# Altium PCB DAC_Sources.PcbDoc (part 5 of 8) (continued)
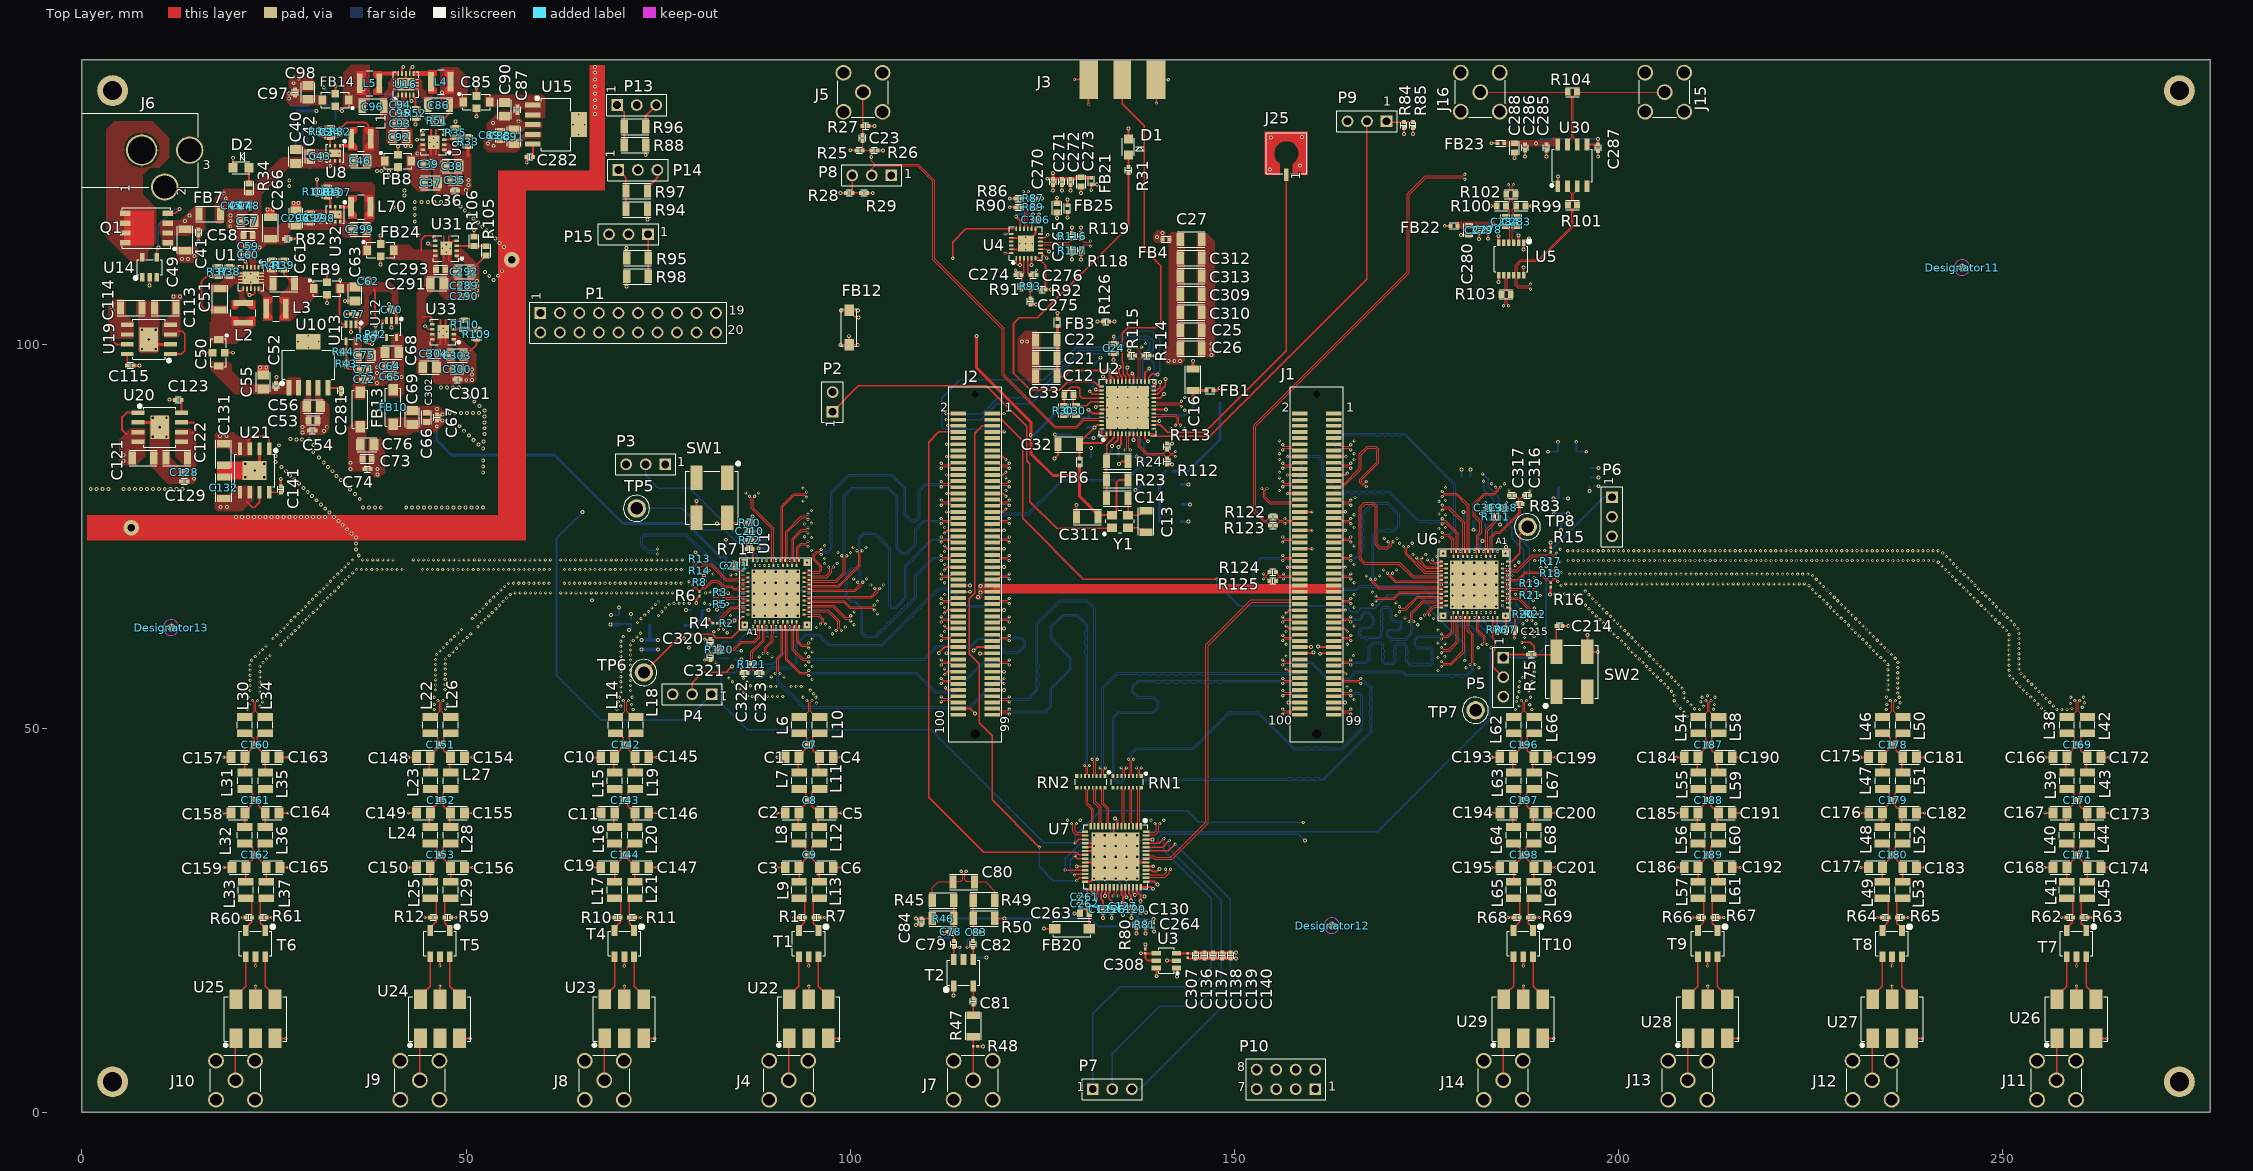
[diagram p0: Top Layer view]
## Nets (pads, with @x,y where several pads share a name; then routed paths per layer and width w, separated by ;. In a path a pad name is that pad's centre, name@x,y a point inside that pad or via, vN(x,y) a via of type N, cw(c..) or ccw(c..) an arc to the next point about the centre after c; other vN are vias at no path point) (continued)
  Bottom Layer w0.127: v1(90.89,57.14) 90.674,56.924 90.674,56.189 93.993,52.87 115.547,52.87 118.958,56.281 119.824,56.281 v1(120.04,56.497)
JX1_D15_DAC1_P: J2.89 U1.A7 | length 42.1
  Top Layer w0.127: v1(90.23,57.14) 90.446,57.356 90.446,59.136 91.001,59.691 91.001,63.007 90.991,63.017 90.991,63.157 U1.A7@90.93,63.218 ; J2.89@118.475,55.767 118.662,55.953 119.443,55.953 119.505,56.015 119.862,56.015 v1(120.04,55.837)
  Bottom Layer w0.127: v1(90.23,57.14) 90.446,56.924 90.446,56.095 90.66,55.88 90.66,55.72 90.85,55.53 91.01,55.53 91.105,55.435 91.105,55.275 91.295,55.085 91.455,55.085 91.55,54.99 91.55,54.83 91.74,54.64 91.9,54.64 93.899,52.641 115.641,52.641 119.052,56.053 119.824,56.053 v1(120.04,55.837)
JX1_DACCLK_DAC1_IN_N: C323.1 R121.1 U1.B3 | length 7.7
  Top Layer w0.127: C323.1@87.765,57.17 87.314,57.621 87.314,58.034 R121.1@87.6,58.32 87.314,58.606 87.314,59.874 88.83,61.39 U1.B3@88.83,63.868
JX1_DACCLK_DAC1_IN_P: C322.1 R121.2 U1.A3 | length 7.1
  Top Layer w0.127: C322.1@86.635,57.17 87.086,57.621 87.086,58.034 R121.2@86.8,58.32 87.086,58.606 87.086,59.969 88.601,61.485 88.601,63.007 88.591,63.017 88.591,63.157 U1.A3@88.53,63.218
JX1_DACCLK_DAC1_N: C323.2 R115.2 U2.28 | length 96.1
  Top Layer w0.127: C323.2@88.565,57.17 v1(88.565,57.88) ; v1(137.29,99.63) 137.506,99.414 137.506,98.89 137.189,98.574 137.118,98.574 R115.2@137.055,98.51 137.506,98.059 137.506,95.441 137.431,95.366 137.426,95.366 137.37,95.31 U2.28@137.37,95.13
  Bottom Layer w0.127: v1(88.565,57.88) 87.584,57.88 87.314,57.61 87.314,57.256 87.78,56.79 88.49,56.79 89.679,57.979 92.159,57.979 92.9,58.72 92.9,61.01 94.137,62.247 95.946,62.247 97.248,60.945 104.135,60.945 111.469,68.279 112.965,68.279 115.203,66.04 117.64,66.04 118.37,66.77 118.37,76.483 119.925,78.039 123.199,78.039 127.579,82.419 135.899,82.419 138.19,84.71 138.19,86.94 136.641,88.489 136.641,94.951 137.506,95.816 137.506,99.414 v1(137.29,99.63)
JX1_DACCLK_DAC1_P: C322.2 R114.2 U2.27 | length 96.9
  Top Layer w0.127: C322.2@85.835,57.17 v1(85.835,57.88) ; U2.27@137.87,95.13 137.87,95.31 137.813,95.366 137.809,95.366 137.734,95.441 137.734,98.059 R114.2@138.185,98.51 138.121,98.574 138.051,98.574 137.734,98.89 137.734,99.414 v1(137.95,99.63)
  Bottom Layer w0.127: v1(85.835,57.88) 86.816,57.88 87.086,57.61 87.086,57.161 87.685,56.561 88.585,56.561 89.773,57.75 92.253,57.75 93.129,58.625 93.129,60.915 94.232,62.018 95.852,62.018 97.154,60.716 104.23,60.716 111.563,68.05 112.87,68.05 115.109,65.811 117.735,65.811 118.599,66.675 118.599,76.389 120.02,77.81 123.293,77.81 127.673,82.19 135.993,82.19 138.419,84.615 138.419,87.035 136.87,88.583 136.87,94.857 137.734,95.721 137.734,99.414 v1(137.95,99.63)
JX1_DATACLK_DAC1_N: J2.54 U1.B15 | length 44
  Top Layer w0.127: U1.B15@93.98,67.218 102.744,67.218 103.406,67.88 103.406,67.994 v1(103.19,68.21) ; v1(111.853,70.097) 112.069,69.881 113.061,69.881 113.139,69.958 113.139,69.98 113.325,70.167 J2.54@114.075,70.167
  SIG_03 w0.102: v1(103.19,68.21) 103.406,68.426 103.406,70.001 102.975,70.431 100.645,70.431 100.091,70.985 100.091,71.805 100.518,72.232 100.585,72.299 104.629,72.299 107.335,75.005 107.469,75.139 109.809,75.139 110.42,74.528 110.969,73.979 110.969,73.205 110.083,72.319 107.179,72.319 106.69,71.83 106.69,70.74 107.549,69.881 111.637,69.881 v1(111.853,70.097)
JX1_DATACLK_DAC1_P: J2.56 U1.A16 | length 43.9
  Top Layer w0.127: U1.A16@94.63,66.918 94.691,66.98 94.831,66.98 94.841,66.989 102.839,66.989 103.634,67.785 103.634,67.994 v1(103.85,68.21) ; v1(111.853,69.437) 112.069,69.653 113.057,69.653 113.139,69.572 113.139,69.553 113.325,69.367 J2.56@114.075,69.367
  SIG_03 w0.102: v1(103.85,68.21) 103.634,68.426 103.634,70.096 103.07,70.66 100.74,70.66 100.32,71.08 100.32,71.71 100.68,72.07 104.723,72.07 105.335,72.682 105.555,72.682 105.735,72.862 105.735,73.082 105.85,73.197 106.07,73.197 106.25,73.377 106.25,73.597 106.365,73.712 106.585,73.712 106.765,73.892 106.765,74.112 106.88,74.227 107.1,74.227 107.28,74.407 107.28,74.627 107.563,74.91 109.715,74.91 110.74,73.885 110.74,73.3 109.988,72.548 107.085,72.548 106.461,71.925 106.461,70.645 107.454,69.653 111.637,69.653 v1(111.853,69.437)
JX1_FRAME_DAC1_N: J2.50 U1.B16 | length 40.4
  Top Layer w0.127: U1.B16@93.98,67.818 95.637,67.818 100.657,67.818 101.415,68.575 101.415,68.784 v1(101.63,69) ; v1(111.853,71.837) 112.069,72.053 113.057,72.053 113.139,71.972 113.139,71.953 113.325,71.767 J2.50@114.075,71.767
  Bottom Layer w0.127: v1(101.63,69) 101.415,69.216 101.415,70.392 100.918,70.889 100.045,70.889 99.331,70.175 99.331,67.075 100.007,66.4 100.576,66.4 101.421,65.554 101.421,62.315 101.915,61.821 103.455,61.821 108.582,66.948 108.649,67.015 108.649,69.841 110.86,72.053 111.637,72.053 v1(111.853,71.837)
JX1_FRAME_DAC1_P: J2.48 U1.A18 | length 39.6
  Top Layer w0.127: U1.A18@94.63,68.118 94.691,68.057 94.831,68.057 94.841,68.047 100.563,68.047 101.186,68.67 101.186,68.784 v1(100.97,69) ; v1(111.853,72.497) 112.069,72.281 113.061,72.281 113.139,72.358 113.139,72.38 113.325,72.567 J2.48@114.075,72.567
  Bottom Layer w0.127: v1(100.97,69) 101.186,69.216 101.186,70.297 100.823,70.66 100.14,70.66 99.56,70.08 99.56,69.69 99.67,69.58 99.67,69.26 99.56,69.15 99.56,68.85 99.67,68.74 99.67,68.42 99.56,68.31 99.56,68.01 99.67,67.9 99.67,67.58 99.56,67.47 99.56,67.17 100.101,66.629 100.671,66.629 101.65,65.649 101.65,62.41 102.01,62.05 103.36,62.05 103.55,62.24 103.55,62.42 103.687,62.557 103.867,62.557 103.985,62.675 103.985,62.855 104.123,62.993 104.303,62.993 104.421,63.111 104.421,63.291 104.558,63.428 104.738,63.428 104.856,63.546 104.856,63.726 104.994,63.864 105.174,63.864 105.292,63.982 105.292,64.162 105.429,64.299 105.609,64.299 105.727,64.417 105.727,64.597 105.865,64.735 106.045,64.735 106.163,64.853 106.163,65.033 106.3,65.17 106.48,65.17 106.598,65.288 106.598,65.468 106.735,65.605 106.915,65.605 107.034,65.723 107.034,65.903 107.171,66.041 107.351,66.041 107.469,66.159 107.469,66.339 107.606,66.476 107.786,66.476 107.904,66.594 108.42,67.11 108.42,69.936 110.765,72.281 111.637,72.281 v1(111.853,72.497)
JX1_LVDS9_N: J1.36 P1.16 R122.1 | length 107.8
  Top Layer w0.127: R122.1@155.438,77.537 155.501,77.474 155.501,77.4 155.82,77.081 156.354,77.081 v1(156.57,77.297) 156.786,77.081 157.514,77.081 157.589,77.156 157.589,77.181 157.775,77.367 J1.36@158.525,77.367
  SIG_03 w0.102: P1.16@77.46,101.51 77.46,102.306 77.82,102.666 78.289,102.666 78.819,103.195 78.819,105.119 79.44,105.74 120.983,105.74 129.801,96.921 129.801,83.899 133.889,79.811 136.849,79.811 138.196,78.464 138.33,78.33 156.98,78.33 157.39,77.92 157.39,77.175 157.296,77.081 156.786,77.081 v1(156.57,77.297)
JX1_LVDS9_P: J1.38 P1.15 R123.1 | length 108.5
  Top Layer w0.127: R123.1@155.438,76.397 155.501,76.461 155.501,76.534 155.82,76.853 156.354,76.853 v1(156.57,76.637) 156.786,76.853 157.514,76.853 157.589,76.778 157.589,76.753 157.775,76.567 J1.38@158.525,76.567
  SIG_03 w0.102: P1.15@77.46,104.05 77.46,103.254 77.82,102.894 78.194,102.894 78.59,103.29 78.59,105.213 79.345,105.969 121.077,105.969 130.03,97.016 130.03,83.993 133.983,80.04 136.943,80.04 138.425,78.559 157.075,78.559 157.142,78.492 157.619,78.015 157.619,77.081 157.391,76.853 156.786,76.853 v1(156.57,76.637)
JX1_LVDS15_N: J1.54 P1.18 R124.1 | length 107.5
  Top Layer w0.127: R124.1@155.4,70.337 155.463,70.274 155.463,70.208 155.79,69.881 156.174,69.881 v1@156.346,70.054 ; v1(156.39,70.097) v1@156.346,70.054 ; J1.54@158.525,70.167 157.775,70.167 157.589,69.981 157.589,69.956 157.514,69.881 156.519,69.881 v1@156.346,70.054
  SIG_03 w0.102: P1.18@80,101.51 81.156,102.666 121.791,102.666 128.94,95.517 128.94,82.61 135.89,75.66 157.537,75.66 158.14,75.057 158.14,71.321 156.7,69.881 156.606,69.881 v1(156.39,70.097)
JX1_LVDS15_P: J1.56 P1.17 R125.1 | length 108.2
  Top Layer w0.127: R125.1@155.4,69.197 155.463,69.261 155.463,69.326 155.79,69.653 156.174,69.653 v1@156.347,69.48 ; v1(156.39,69.437) v1@156.347,69.48 ; J1.56@158.525,69.367 157.775,69.367 157.589,69.553 157.589,69.562 157.497,69.653 156.519,69.653 v1@156.347,69.48
  SIG_03 w0.102: P1.17@80,104.05 81.156,102.894 121.886,102.894 129.169,95.611 129.169,82.705 135.985,75.889 157.631,75.889 158.369,75.151 158.369,71.227 156.795,69.653 156.606,69.653 v1(156.39,69.437)
JX1_PARITY_N: J2.69 U1.A29 | length 54.9
  Top Layer w0.127: v1(86.92,80.2) 87.136,79.984 87.136,78.631 89.801,75.965 89.801,72.029 89.791,72.019 89.791,71.88 U1.A29@89.73,71.818 ; J2.69@118.475,63.767 119.225,63.767 119.412,63.953 119.412,63.972 119.493,64.053 120.481,64.053 v1(120.697,63.837)
  SIG_03 w0.102: v1(86.92,80.2) 87.136,79.984 87.136,78.646 92.75,73.031 92.75,71.797 97.365,67.181 104.421,67.181 104.555,67.315 105.411,68.171 113.947,68.171 118.065,64.053 120.481,64.053 v1(120.697,63.837)
JX1_PARITY_P: J2.67 U1.B26 | length 55.2
  Top Layer w0.127: v1(87.58,80.2) 87.364,79.984 87.364,78.726 90.03,76.06 U1.B26@90.03,71.168 ; J2.67@118.475,64.567 119.225,64.567 119.412,64.38 119.412,64.358 119.489,64.281 120.481,64.281 v1(120.697,64.497)
  SIG_03 w0.102: v1(87.58,80.2) 87.364,79.984 87.364,78.74 92.979,73.126 92.979,71.891 97.46,67.41 104.327,67.41 105.317,68.4 114.041,68.4 118.16,64.281 120.481,64.281 v1(120.697,64.497)
JX2_D0_DAC2_N: J1.84 U6.A27 | length 36.7
  Top Layer w0.127: v1(156.303,58.237) 156.519,58.453 157.497,58.453 157.589,58.362 157.589,58.353 157.775,58.167 J1.84@158.525,58.167 ; U6.A27@180.63,64.4 180.569,64.338 180.569,64.199 180.559,64.189 180.559,62.745 181.114,62.189 181.114,58.538 v1(181.33,58.322)
  Bottom Layer w0.127: v1(156.303,58.237) 156.519,58.453 159.93,58.453 162.073,56.31 164.962,56.31 165.893,57.241 171.829,57.241 172.193,56.877 172.26,56.81 178.04,56.81 178.21,56.64 178.64,56.64 178.81,56.81 179.2,56.81 179.37,56.64 179.8,56.64 179.97,56.81 180.36,56.81 181.114,57.565 181.114,58.106 v1(181.33,58.322)
JX2_D0_DAC2_P: J1.82 U6.B24 | length 36.6
  Top Layer w0.127: v1(156.303,58.897) 156.519,58.681 157.514,58.681 157.589,58.756 157.589,58.78 157.775,58.967 J1.82@158.525,58.967 ; U6.B24@180.33,65.05 180.33,62.65 180.886,62.094 180.886,58.538 v1(180.67,58.322)
  Bottom Layer w0.127: v1(156.303,58.897) 156.519,58.681 160.025,58.681 162.167,56.539 164.867,56.539 165.798,57.47 171.923,57.47 172.355,57.039 180.265,57.039 180.886,57.659 180.886,58.106 v1(180.67,58.322)
JX2_D1_DAC2_N: J1.76 U6.A26 | length 37.4
  Top Layer w0.127: v1(156.303,61.437) 156.519,61.653 157.497,61.653 157.589,61.562 157.589,61.553 157.775,61.367 J1.76@158.525,61.367 ; v1(176.95,58.042) 177.166,58.258 178.245,58.258 179.959,59.971 179.959,64.189 179.969,64.199 179.969,64.338 U6.A26@180.03,64.4
  SIG_03 w0.102: v1(156.303,61.437) 156.519,61.653 157.867,61.653 158.781,60.739 158.781,57.825 160.667,55.94 165.213,55.94 166.212,56.938 167.632,56.938 168.269,56.301 168.679,56.301 168.79,56.19 169.009,56.19 169.12,56.301 169.399,56.301 169.51,56.19 169.689,56.19 169.8,56.301 170.079,56.301 170.19,56.19 170.369,56.19 170.48,56.301 173.831,56.301 175.788,58.258 176.734,58.258 v1(176.95,58.042)
JX2_D1_DAC2_P: J1.74 U6.B23 | length 37.3
  Top Layer w0.127: v1(156.303,62.097) 156.519,61.881 157.514,61.881 157.589,61.956 157.589,61.98 157.775,62.167 J1.74@158.525,62.167 ; v1(176.95,58.702) 177.166,58.486 178.15,58.486 179.73,60.066 U6.B23@179.73,65.05
  SIG_03 w0.102: v1(156.303,62.097) 156.519,61.881 157.335,61.881 157.962,61.881 159.01,60.833 159.01,57.92 160.761,56.169 165.119,56.169 166.117,57.167 167.726,57.167 168.363,56.53 173.737,56.53 175.693,58.486 176.734,58.486 v1(176.95,58.702)
JX2_D2_DAC2_N: J1.70 U6.B22 | length 39.4
  Top Layer w0.127: v1(156.303,63.837) 156.519,64.053 157.497,64.053 157.589,63.962 157.589,63.953 157.775,63.767 J1.70@158.525,63.767 J1.70@158.339,63.953 ; v1(176.95,59.832) 177.166,60.047 178.005,60.047 179.13,61.173 179.13,63.393 U6.B22@179.13,65.05
  SIG_03 w0.102: v1(156.303,63.837) 156.519,64.053 157.008,64.053 157.161,63.9 157.436,63.9 157.589,64.053 158.463,64.053 159.04,64.63 159.04,65.533 159.609,66.101 159.899,66.101 160.531,65.469 160.531,62.199 161.912,60.818 162.728,60.818 164.285,59.262 164.285,58.022 165.085,57.221 165.487,57.221 165.581,57.221 166.12,57.76 169.167,57.76 169.485,57.441 173.281,57.441 175.888,60.047 176.734,60.047 v1(176.95,59.832)
JX2_D2_DAC2_P: J1.68 U6.A24 | length 39.1
  Top Layer w0.127: v1(156.303,64.497) 156.519,64.281 157.514,64.281 157.589,64.356 157.589,64.38 157.775,64.567 J1.68@158.525,64.567 ; v1(176.95,60.492) 177.166,60.276 177.91,60.276 178.901,61.267 178.901,64.189 178.891,64.199 178.891,64.338 U6.A24@178.83,64.4
  SIG_03 w0.102: v1(156.303,64.497) 156.519,64.281 158.368,64.281 158.811,64.725 158.811,65.627 159.514,66.33 159.994,66.33 160.76,65.564 160.76,65.19 160.84,65.11 160.84,64.88 160.75,64.79 160.75,64.56 160.83,64.48 160.83,64.25 160.75,64.17 160.75,63.94 160.83,63.86 160.83,63.63 160.75,63.55 160.75,63.32 160.83,63.24 160.83,63.01 160.75,62.93 160.75,62.303 162.006,61.047 162.823,61.047 164.513,59.357 164.513,58.117 165.18,57.45 165.487,57.45 166.025,57.989 166.661,57.989 166.801,58.129 167.111,58.129 167.251,57.989 167.528,57.989 167.668,58.129 167.978,58.129 168.118,57.989 168.395,57.989 168.535,58.129 168.845,58.129 168.985,57.989 169.261,57.989 169.58,57.67 170.587,57.67 170.727,57.81 171.037,57.81 171.177,57.67 171.453,57.67 171.593,57.81 171.903,57.81 172.043,57.67 172.32,57.67 172.46,57.81 172.77,57.81 172.91,57.67 173.187,57.67 175.04,59.523 175.04,59.77 175.223,59.953 175.47,59.953 175.793,60.276 176.734,60.276 v1(176.95,60.492)
JX2_D3_DAC2_N: J1.83 U6.B21 | length 35.2
  Top Layer w0.127: J1.83@162.925,58.167 163.675,58.167 163.862,58.353 163.862,58.362 163.953,58.453 164.931,58.453 v1(165.147,58.237) ; v1(176.95,61.622) 177.166,61.837 177.815,61.837 178.53,62.553 178.53,63.393 U6.B21@178.53,65.05
  Bottom Layer w0.127: v1(165.147,58.237) 165.363,58.453 167.226,58.453 167.685,58.912 167.685,60.632 168.073,61.02 169.04,61.02 169.211,60.849 169.211,58.675 169.555,58.331 170.695,58.331 171.04,58.677 171.04,60.639 171.301,60.9 171.95,60.9 172.281,60.569 172.281,58.637 172.68,58.238 172.747,58.171 175.565,58.171 175.86,58.467 175.86,60.209 175.459,60.611 173.839,60.611 173.61,60.84 173.61,61.5 173.948,61.837 176.734,61.837 v1(176.95,61.622)
JX2_D3_DAC2_P: J1.81 U6.A23 | length 35.3
  Top Layer w0.127: J1.81@162.925,58.967 163.675,58.967 163.862,58.78 163.862,58.756 163.936,58.681 164.931,58.681 v1(165.147,58.897) ; v1(176.95,62.282) 177.166,62.066 177.72,62.066 178.301,62.647 178.301,64.189 178.292,64.199 178.292,64.338 U6.A23@178.23,64.4
  Bottom Layer w0.127: v1(165.147,58.897) 165.363,58.681 167.131,58.681 167.456,59.006 167.456,60.726 167.979,61.249 169.135,61.249 169.44,60.943 169.44,60.275 169.58,60.135 169.58,59.902 169.44,59.762 169.44,59.533 169.58,59.393 169.58,59.16 169.44,59.02 169.44,58.77 169.65,58.56 170.6,58.56 170.811,58.771 170.811,59.041 170.671,59.181 170.671,59.415 170.811,59.555 170.811,59.783 170.671,59.923 170.671,60.157 170.811,60.297 170.811,60.733 171.207,61.129 172.045,61.129 172.51,60.663 172.51,60.195 172.65,60.055 172.65,59.822 172.51,59.682 172.51,59.453 172.65,59.313 172.65,59.08 172.51,58.94 172.51,58.731 172.841,58.4 173.263,58.4 173.403,58.54 173.636,58.54 173.776,58.4 174.005,58.4 174.145,58.54 174.378,58.54 174.518,58.4 174.747,58.4 174.887,58.54 175.12,58.54 175.26,58.4 175.47,58.4 175.631,58.561 175.631,60.115 175.364,60.382 173.744,60.382 173.381,60.745 173.381,61.595 173.853,62.066 176.734,62.066 v1(176.95,62.282)
JX2_D4_DAC2_N: J1.75 U6.A22 | length 36.2
  Top Layer w0.127: J1.75@162.925,61.367 163.675,61.367 163.862,61.553 163.862,61.562 163.953,61.653 164.931,61.653 v1(165.147,61.437) ; v1(175.42,64.742) 175.42,64.818 175.308,64.93 175.308,65.061 175.879,65.633 176.018,65.771 176.719,65.771 176.729,65.761 176.869,65.761 U6.A22@176.93,65.7
  SIG_03 w0.102: v1(165.147,61.437) 165.363,61.653 165.884,61.653 166.331,61.205 166.331,60.881 166.18,60.73 166.18,60.44 166.331,60.289 166.331,60.06 166.18,59.909 166.18,59.619 166.331,59.467 166.331,58.975 166.585,58.721 167.145,58.721 167.62,59.197 167.62,59.9 167.75,60.03 167.75,60.29 167.62,60.42 167.62,60.7 167.85,60.93 168.117,60.93 168.38,60.667 168.38,59.926 168.38,58.956 168.805,58.531 169.665,58.531 170.08,58.947 170.08,59.656 170.19,59.766 170.19,60.03 170.08,60.14 170.08,60.43 170.45,60.8 170.96,60.8 171.201,60.559 171.201,58.825 171.765,58.261 172.525,58.261 172.98,58.717 172.98,60.192 173.17,60.382 173.588,60.382 173.73,60.24 173.99,60.24 174.132,60.382 175.436,60.382 175.96,60.907 175.96,61.377 175.566,61.771 174.789,61.771 174.64,61.92 174.465,61.92 174.316,61.771 173.459,61.771 173.32,61.91 173.32,62.32 173.571,62.571 174.695,62.571 174.829,62.705 175.07,62.947 175.204,63.081 175.204,64.526 v1(175.42,64.742)
JX2_D4_DAC2_P: J1.73 U6.B20 | length 36.2
  Top Layer w0.127: J1.73@162.925,62.167 163.675,62.167 163.862,61.98 163.862,61.956 163.936,61.881 164.931,61.881 v1(165.147,62.097) ; v1(174.76,64.742) 175.079,65.061 175.079,65.156 175.785,65.862 175.923,66 U6.B20@177.58,66
  SIG_03 w0.102: v1(165.147,62.097) 165.363,61.881 165.979,61.881 166.56,61.3 166.56,59.07 166.68,58.95 167.05,58.95 167.391,59.291 167.391,60.795 167.755,61.159 168.211,61.159 168.609,60.761 168.609,59.831 168.609,59.051 168.899,58.76 169.57,58.76 169.851,59.041 169.851,60.525 170.355,61.029 171.055,61.029 171.43,60.653 171.43,58.92 171.86,58.49 172.43,58.49 172.751,58.811 172.751,60.287 173.075,60.611 174.065,60.611 175.341,60.611 175.732,61.002 175.732,61.282 175.471,61.542 174.484,61.542 173.364,61.542 173.091,61.815 173.091,62.415 173.477,62.8 174.6,62.8 174.975,63.175 174.975,64.526 v1(174.76,64.742)
JX2_D5_DAC2_N: J1.69 U6.A21 | length 35.3
  Top Layer w0.127: J1.69@162.925,63.767 163.675,63.767 163.862,63.953 163.862,63.962 163.953,64.053 164.931,64.053 v1(165.147,63.837) ; v1(173.37,63.922) 173.154,64.138 173.154,64.92 174.605,66.371 176.719,66.371 176.729,66.361 176.869,66.361 U6.A21@176.93,66.3
  Bottom Layer w0.127: v1(165.147,63.837) 165.363,64.053 166.413,64.053 166.48,64.12 166.72,64.36 166.72,64.727 166.943,64.95 167.367,64.95 168.01,64.307 168.01,63.64 167.608,63.239 166.665,63.239 166.171,62.745 166.171,62.135 166.605,61.701 166.93,61.701 167.081,61.55 167.39,61.55 167.541,61.701 168.985,61.701 169.25,61.967 169.25,62.81 169.36,62.92 169.36,63.16 169.25,63.27 169.25,63.43 169.36,63.54 169.36,63.78 169.25,63.89 169.25,64.05 169.36,64.16 169.36,64.4 169.25,64.51 169.25,64.67 169.36,64.78 169.36,65.02 169.25,65.13 169.25,65.429 169.472,65.651 169.969,65.651 170.303,65.317 170.303,64.244 170.745,63.801 171.445,63.801 171.638,63.608 171.638,63.208 171.34,62.91 170.097,62.91 169.877,62.69 169.81,62.623 169.81,62.07 170.389,61.491 172.345,61.491 173.154,62.301 173.154,62.714 173.3,62.86 173.3,63.15 173.154,63.296 173.154,63.706 v1(173.37,63.922)
JX2_D5_DAC2_P: J1.67 U6.B19 | length 35.3
  Top Layer w0.127: J1.67@162.925,64.567 163.675,64.567 163.862,64.38 163.862,64.356 163.936,64.281 164.931,64.281 v1(165.147,64.497) ; v1(172.71,63.922) 172.926,64.138 172.926,65.015 174.511,66.6 175.923,66.6 U6.B19@177.58,66.6
  Bottom Layer w0.127: v1(165.147,64.497) 165.363,64.281 166.318,64.281 166.491,64.455 166.491,64.821 166.849,65.179 167.461,65.179 168.239,64.401 168.239,63.529 167.72,63.01 166.76,63.01 166.4,62.65 166.4,62.23 166.7,61.93 168.89,61.93 169.021,62.061 169.021,65.524 169.377,65.88 170.063,65.88 170.13,65.813 170.532,65.412 170.532,64.338 170.84,64.03 171.54,64.03 171.867,63.703 171.867,63.114 171.435,62.681 170.191,62.681 170.039,62.529 170.039,62.165 170.483,61.72 172.25,61.72 172.926,62.396 172.926,63.706 v1(172.71,63.922)
JX2_D6_DAC2_N: J1.63 U6.A20 | length 36.8
  Top Layer w0.127: J1.63@162.925,66.167 163.675,66.167 163.862,66.353 163.862,66.362 163.953,66.453 164.931,66.453 v1(165.147,66.237) ; v1(171.49,65.165) 171.706,65.381 172.291,65.381 173.881,66.971 176.719,66.971 176.729,66.961 176.869,66.961 U6.A20@176.93,66.9
  SIG_03 w0.102: v1(165.147,66.237) 165.363,66.453 166.227,66.453 167.211,65.469 167.211,65.291 167.12,65.2 167.12,64.9 167.211,64.809 167.211,64.62 167.12,64.529 167.12,64.229 167.211,64.137 167.211,63.949 167.12,63.857 167.12,63.557 167.211,63.466 167.211,63.277 167.12,63.186 167.12,62.886 167.211,62.794 167.211,62.555 168.245,61.521 172.015,61.521 172.149,61.655 172.57,62.077 172.57,63.08 172.436,63.214 171.595,64.055 171.461,64.189 169.791,64.189 169.299,64.681 169.299,66.274 169.39,66.366 169.39,66.554 169.299,66.646 169.299,66.946 169.39,67.037 169.39,67.226 169.299,67.317 169.299,67.617 169.39,67.709 169.39,67.897 169.299,67.989 169.299,68.289 169.39,68.38 169.39,68.569 169.299,68.66 169.299,68.889 169.63,69.22 170.77,69.22 171.03,68.96 171.03,68.28 170.301,67.551 170.301,65.845 170.766,65.381 171.274,65.381 v1(171.49,65.165)
JX2_D6_DAC2_P: J1.61 U6.B18 | length 36.8
  Top Layer w0.127: J1.61@162.925,66.967 163.675,66.967 163.862,66.78 163.862,66.756 163.936,66.681 164.931,66.681 v1(165.147,66.897) ; v1(171.49,65.825) 171.706,65.609 172.196,65.609 173.787,67.2 U6.B18@177.58,67.2
  SIG_03 w0.102: v1(165.147,66.897) 165.363,66.681 166.322,66.681 167.44,65.563 167.44,62.65 168.34,61.75 171.92,61.75 172.341,62.171 172.341,62.985 171.367,63.96 169.697,63.96 169.07,64.587 169.07,65.01 169.07,68.983 169.535,69.449 170.865,69.449 171.259,69.055 171.259,68.185 170.53,67.457 170.53,65.94 170.861,65.609 171.274,65.609 v1(171.49,65.825)
JX2_D7_DAC2_N: J1.55 U6.A19 | length 39.3
  Top Layer w0.127: J1.55@162.925,69.367 163.675,69.367 163.862,69.553 163.862,69.562 163.953,69.653 164.931,69.653 v1(165.147,69.437) ; v1(168.43,66.572) 168.646,66.787 170.807,66.787 171.402,67.382 ; 171.36,67.34 171.591,67.571 176.719,67.571 176.729,67.561 176.869,67.561 U6.A19@176.93,67.5
  SIG_03 w0.102: v1(165.147,69.437) 165.363,69.653 166.326,69.653 166.393,69.72 166.699,70.025 166.699,70.565 166.326,70.937 164.967,70.937 164.549,70.519 162.499,70.519 162.13,70.15 162.13,70.055 162.13,62.27 162.264,62.136 162.421,61.979 162.555,61.845 163.232,61.845 163.513,62.126 163.646,62.26 163.646,66.866 164.77,67.99 166.14,67.99 166.4,67.73 166.4,67.287 166.467,67.22 166.899,66.787 168.214,66.787 v1(168.43,66.572)
JX2_D7_DAC2_P: J1.53 U6.B17 | length 39.1
  Top Layer w0.127: J1.53@162.925,70.167 163.675,70.167 163.862,69.981 163.862,69.956 163.936,69.881 164.931,69.881 v1(165.147,70.097) ; v1(168.43,67.232) 168.646,67.016 170.713,67.016 171.497,67.8 U6.B17@177.58,67.8
  SIG_03 w0.102: v1(165.147,70.097) 165.363,69.881 166.231,69.881 166.47,70.12 166.47,70.47 166.232,70.708 165.062,70.708 164.643,70.29 162.593,70.29 162.359,70.055 162.359,69.767 162.5,69.626 162.5,69.397 162.359,69.256 162.359,68.842 162.5,68.7 162.5,68.472 162.359,68.33 162.359,67.917 162.5,67.775 162.5,67.547 162.359,67.405 162.359,66.991 162.5,66.85 162.5,66.621 162.359,66.48 162.359,66.066 162.5,65.925 162.5,65.696 162.359,65.555 162.359,65.141 162.5,64.999 162.5,64.771 162.359,64.629 162.359,64.215 162.5,64.074 162.5,63.845 162.359,63.704 162.359,62.365 162.65,62.074 163.137,62.074 163.418,62.354 163.418,66.961 163.485,67.028 164.675,68.219 166.235,68.219 166.629,67.825 166.629,67.381 166.994,67.016 168.214,67.016 v1(168.43,67.232)
JX2_D8_DAC2_N: J1.37 U6.B14 | length 38.2
  Top Layer w0.127: J1.37@162.925,76.567 163.675,76.567 163.862,76.753 163.862,76.762 163.953,76.853 164.931,76.853 v1(165.147,76.637) ; v1(170.01,74.282) 170.226,74.066 170.226,73.946 169.89,73.61 168.917,73.61 168.57,73.957 168.57,78.9 168.436,79.034 168.062,79.409 166.921,79.409 166.415,78.903 166.281,78.769 166.281,71.995 166.441,71.835 166.897,71.38 171.41,71.38 173.19,69.6 175.923,69.6 U6.B14@177.58,69.6
  SIG_03 w0.102: v1(165.147,76.637) 165.363,76.853 168.227,76.853 170.226,74.854 170.226,74.498 v1(170.01,74.282)
JX2_D8_DAC2_P: J1.35 U6.A15 | length 38.2
  Top Layer w0.127: J1.35@162.925,77.367 163.675,77.367 163.862,77.181 163.862,77.156 163.936,77.081 164.931,77.081 v1(165.147,77.297) ; v1(170.67,74.282) 170.454,74.066 170.454,73.851 169.985,73.381 168.822,73.381 168.341,73.862 168.341,78.805 167.967,79.18 167.016,79.18 166.51,78.674 166.51,72.09 166.991,71.609 171.505,71.609 173.285,69.829 176.719,69.829 176.729,69.839 176.869,69.839 U6.A15@176.93,69.9
  SIG_03 w0.102: v1(165.147,77.297) 165.363,77.081 165.651,77.081 165.83,77.26 166.03,77.26 166.209,77.081 166.42,77.081 166.599,77.26 166.799,77.26 166.977,77.081 167.189,77.081 167.367,77.26 167.567,77.26 167.746,77.081 168.322,77.081 168.642,76.762 168.908,76.762 169.122,76.548 169.122,76.281 169.442,75.962 169.667,75.736 170.454,74.949 170.454,74.498 v1(170.67,74.282)
JX2_D9_DAC2_N: J1.31 U6.B13 | length 39.3
  Top Layer w0.127: J1.31@162.925,78.967 163.675,78.967 163.862,79.153 163.862,79.162 163.953,79.253 164.931,79.253 v1(165.147,79.037) ; v1(171.998,73.641) 172.214,73.425 172.214,72.705 174.72,70.2 175.923,70.2 U6.B13@177.58,70.2
  SIG_03 w0.102: v1(165.147,79.037) 165.363,79.253 166.804,79.253 167.259,79.707 167.259,80.307 166.668,80.897 165.487,80.897 165.05,80.46 164.472,80.46 162.732,82.2 160.41,82.2 160.276,82.066 159.87,81.66 159.87,79.506 160.466,78.91 164.277,78.91 164.887,78.3 168.62,78.3 172.214,74.706 172.214,73.857 v1(171.998,73.641)
JX2_D9_DAC2_P: J1.29 U6.A14 | length 39.2
  Top Layer w0.127: J1.29@162.925,79.767 163.675,79.767 163.862,79.58 163.862,79.556 163.936,79.481 164.931,79.481 v1(165.147,79.697) ; v1(172.659,73.641) 172.443,73.425 172.443,72.8 174.814,70.429 176.719,70.429 176.729,70.439 176.869,70.439 U6.A14@176.93,70.5
  SIG_03 w0.102: v1(165.147,79.697) 165.363,79.481 166.709,79.481 167.03,79.802 167.03,80.212 166.574,80.668 165.582,80.668 165.145,80.231 164.377,80.231 163.961,80.647 163.803,80.647 163.677,80.773 163.677,80.931 163.52,81.089 163.361,81.089 163.236,81.214 163.236,81.373 163.078,81.53 162.92,81.53 162.794,81.656 162.794,81.814 162.637,81.971 161.925,81.971 161.815,81.861 161.625,81.861 161.515,81.971 161.215,81.971 161.105,81.861 160.915,81.861 160.805,81.971 160.505,81.971 160.099,81.565 160.099,81.381 160.17,81.31 160.17,81.07 160.099,80.999 160.099,80.78 160.17,80.709 160.17,80.469 160.099,80.397 160.099,80.179 160.17,80.107 160.17,79.867 160.099,79.796 160.099,79.601 160.561,79.139 160.926,79.139 161.077,79.29 161.326,79.29 161.477,79.139 161.842,79.139 161.993,79.29 162.242,79.29 162.393,79.139 162.758,79.139 162.909,79.29 163.158,79.29 163.309,79.139 163.674,79.139 163.825,79.29 164.074,79.29 164.225,79.139 164.371,79.139 164.981,78.529 165.966,78.529 166.118,78.68 166.366,78.68 166.518,78.529 166.883,78.529 167.034,78.68 167.283,78.68 167.434,78.529 167.799,78.529 167.95,78.68 168.199,78.68 168.35,78.529 168.715,78.529 168.983,78.26 169.19,78.26 169.35,78.1 169.35,77.893 169.619,77.625 169.825,77.625 169.985,77.465 169.985,77.258 170.254,76.989 170.461,76.989 170.621,76.829 170.621,76.623 170.889,76.354 171.096,76.354 171.256,76.194 171.256,75.987 171.525,75.719 171.731,75.719 171.891,75.559 171.891,75.352 172.443,74.801 172.443,73.857 v1(172.659,73.641)
JX2_D10_DAC2_N: J1.25 U6.B12 | length 36.9
  Top Layer w0.127: J1.25@162.925,81.367 163.675,81.367 163.862,81.553 163.862,81.612 163.936,81.686 164.456,81.686 166.509,83.739 166.509,85.609 167.36,86.46 168.32,86.46 168.56,86.22 168.56,84.63 166.351,82.421 166.351,81.945 166.611,81.686 166.954,81.686 v1(167.17,81.47) ; v1(173.745,72.175) 173.961,71.959 173.961,71.75 174.911,70.8 175.923,70.8 U6.B12@177.58,70.8
  SIG_03 w0.102: v1(167.17,81.47) 167.386,81.686 167.694,81.686 167.92,81.46 167.92,80.595 170.464,78.052 171.901,76.614 171.901,75.925 172.325,75.501 173.125,75.501 173.68,76.057 173.68,76.765 173.985,77.07 174.385,77.07 174.62,76.835 174.62,74.573 173.961,73.914 173.961,72.391 v1(173.745,72.175)